# Altium PCB Startracker_mainboard.PcbDoc (part 2 of 2)
Units mm, origin at the board's own origin, x right, y up, seen from the top; angles counter-clockwise.
Board outline 65 x 30 mm, 4 copper layers (Top Layer, MidLayer1, MidLayer2, Bottom Layer), stack 1.569 mm thick; 126 components, 88 nets, 471 pads, 253 vias.
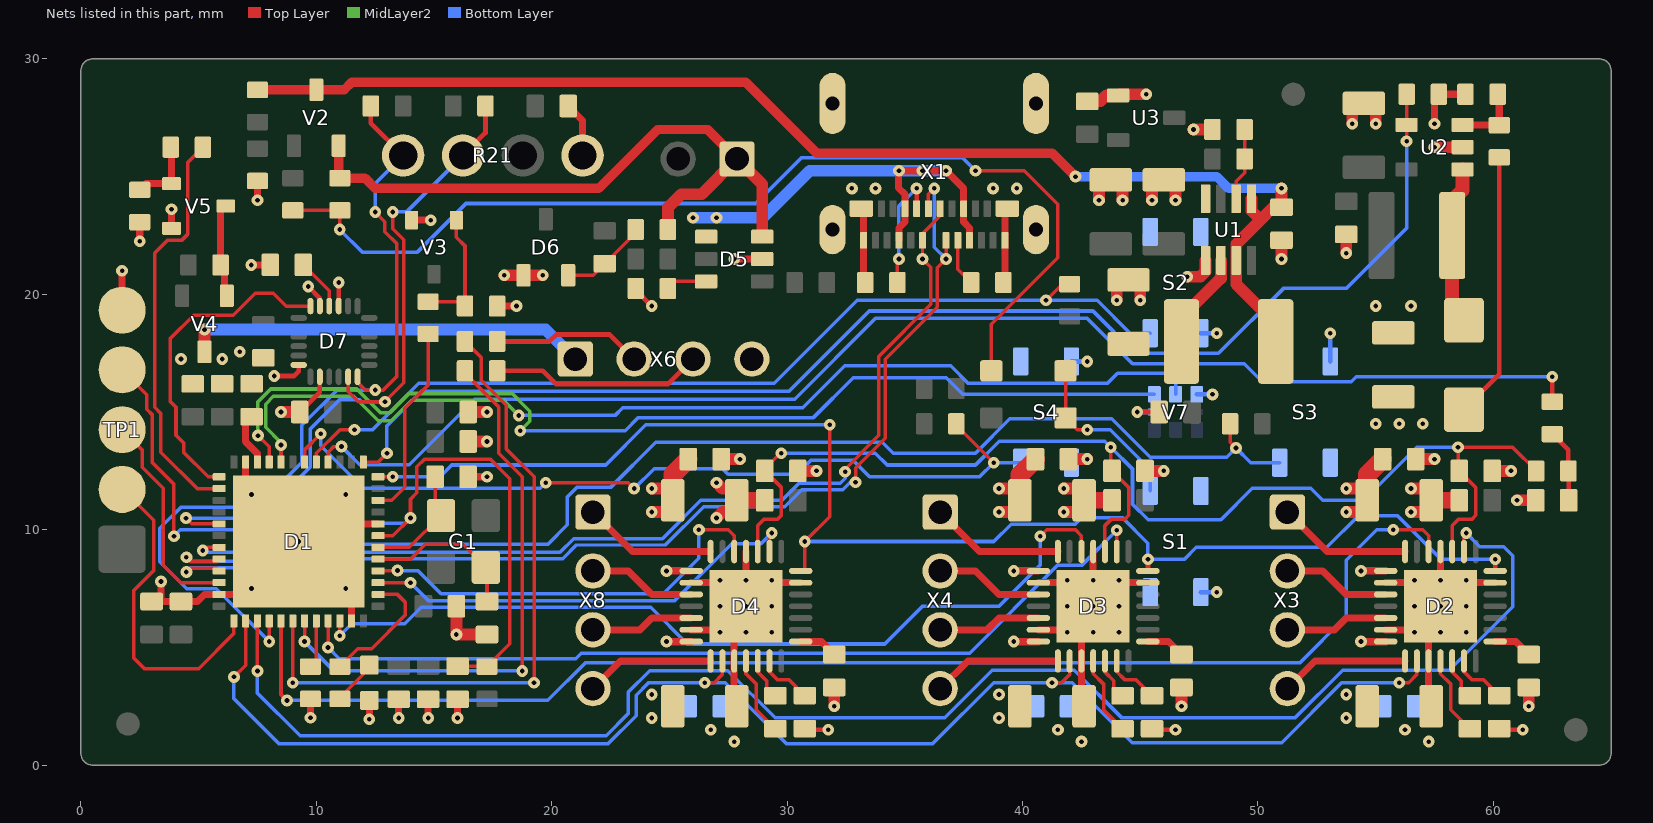
[diagram p4: the nets of this part, all layers, seen from the top]

## Via types
v1: diameter 0.5, hole 0.2, Top Layer to Bottom Layer, tented both sides, 221 vias
v2: diameter 0.5, hole 0.2, Top Layer to Bottom Layer, 32 vias

## Nets (pads, with @x,y where several pads share a name; then routed paths per layer and width w, separated by ;. In a path a pad name is that pad's centre, name@x,y a point inside that pad or via, vN(x,y) a via of type N, cw(c..) or ccw(c..) an arc to the next point about the centre after c; other vN are vias at no path point) (continued)
GND: C1.2 C2.1 C3.1 C4.1 C5.2 C6.2 C7.2 C8.2 C9.1 C11.1 C12.2 C13.1 C14.2 C15.1 C16.1 C17.1 C18.1 C19.1 C26.1 C27.1 C28.1 C29.1 C30.1 C31.1 C32.1 C33.1 C34.1 C35.1 C36.1 C37.1 C38.1 C39.1 C40.1 C41.2 C42.2 C43.1 C44.1 C45.1 C46.2 C47.2 C48.2 C49.2 C50.2 C51.2 C52.2 C53.2 C54.2 C55.2 D1.8 D1.23 D1.35 D1.47 D1.PAD D2.3 D2.13 D2.18 D2.23 D2.27 D2.PAD D3.3 D3.13 D3.18 D3.23 D3.27 D3.PAD D4.3 D4.13 D4.18 D4.23 D4.27 D4.PAD D5.2 D6.1 D7.9 D7.11 D7.18 D7.20 R5.1 R6.1 R7.1 R11.1 R15.1 R17.1 R18.1 R21.1 R23.1 R24.2 R31.1 S1.1 S1.2 S2.1 S2.2 S3.1 S3.2 S4.1 S4.2 TP1.5 U1.4 U1.5 U2.2 U3.1 V1.2 V3.2 V5.2 V7.5 X1.A1 X1.A12 X1.B1 X1.B12 X1.S X6.4 | length 121.6
  Top Layer w0.2: v1(8.211,16.532) 9.056,16.532 9.25,16.726 D7.18@9.25,17 ; C51.2@9.3,15 10.15,15.85 D7.20@10.15,16.5 ; v1(9.653,20.332) 10.15,19.836 D7.11@10.15,19.5 ; D7.9@10.95,19.5 v1(10.95,20.5) ; R11.1@23.565,20.25 23.565,20.185 v1(24.25,19.5) ; v1(44.873,15) C55.2@45.8,15
  Top Layer w0.3: TP1.5@1.75,19.33 v1(1.75,21) ; v1(2.5,22.25) R15.1@2.5,23.065 ; v1(3.4,7.8) 3.4,6.95 C9.1@3,6.95 C41.2@4.25,6.95 4.95,6.95 5.25,7.25 D1.35@5.875,7.25 7,7.25 v2(7.25,7.5) ; V5.2@3.85,22.8 v1(3.85,23.615) ; D1.23@7,12.875 7,11.75 v2(7.25,11.5) ; v1(7.235,21.25) C52.2@8.05,21.25 ; v1(7.5,24) R31.1@7.5,24.815 ; v2(9.25,9.5) 10,10.25 D1.8@12.625,10.25 ; v1(9.75,2.015) R7.1@9.75,2.815 ; v2(11.25,7.5) 11.5,7.25 D1.47@11.5,6.125 ; v1(12.25,1.95) V1.2@12.25,2.75 ; v1(13.5,2) C43.1@13.5,2.8 ; V3.2@14.05,23.15 v1(14.865,23.15) ; v1(14.75,2) C45.1@14.75,2.8 ; v1(16,2) C5.2@16,2.8 ; C47.2@16.45,12.25 v1(17.25,12.25) ; R17.1@17.685,19.5 v1(18.5,19.5) ; C54.2@20.7,28 21.31,27.39 R21.1@21.31,25.9 ; D4.27@25.925,5.75 27.05,5.75 v2(27.15,5.65) ; D4.23@25.925,7.75 27.05,7.75 v2(27.15,7.85) ; v1(27.75,21.5) D5.2@28.94,21.5 ; C31.1@27.86,2.5 27.75,2.61 D4.3@27.75,4.425 27.75,6.25 v2(28.25,6.75) ; v2(28.25,7.85) D4.18@28.25,9.075 ; v2(29.35,7.85) 29.45,7.75 D4.13@30.575,7.75 ; X1.B1@33.15,23.64 33.25,23.54 X1.A12@33.25,22.29 33.25,20.565 R5.1@33.315,20.5 ; R6.1@39.185,20.5 39.25,20.565 X1.A1@39.25,22.29 39.25,23.54 X1.B12@39.35,23.64 ; D3.27@40.675,5.75 41.8,5.75 v2(41.9,5.65) ; D3.23@40.675,7.75 41.8,7.75 v2(41.9,7.85) ; C29.1@42.61,2.5 42.5,2.61 42.5,6.25 v2(43,6.75) ; v2(43,7.85) D3.18@43,9.075 ; v2(44.1,7.85) 44.2,7.75 D3.13@45.325,7.75 ; D2.27@55.425,5.75 56.55,5.75 v2(56.65,5.65) ; D2.23@55.425,7.75 56.55,7.75 v2(56.65,7.85) ; C27.1@57.36,2.5 57.25,2.61 D2.3@57.25,4.425 57.25,6.25 v2(57.75,6.75) ; v1(57.5,27.25) 57.5,28.315 R24.2@57.685,28.5 R23.1@58.815,28.5 ; v2(57.75,7.85) D2.18@57.75,9.075 ; v2(58.85,7.85) 58.95,7.75 D2.13@60.075,7.75
  Top Layer w0.5: v1(8.5,15) C51.2@9.3,15 ; C42.2@15.95,6.75 v1(15.95,5.55) C46.2@17.25,5.55 ; C44.1@16.45,13.75 v1(17.25,13.75) ; C8.2@16.45,15 v1(17.25,15) ; v1(17.985,20.81) D6.1@18.8,20.81 v1(19.615,20.81) ; v1(27,10.5) 27.25,10.75 27.86,10.75 C30.1@27.86,11.25 27.86,11.75 27.25,11.75 v1(27,12) ; C40.1@27.2,13 v1(28,13) ; C50.2@30.45,12.5 v1(31.25,12.5) ; v1(32,2.5) C34.1@32,3.3 ; v1(41.75,10.75) 42.61,10.75 C28.1@42.61,11.25 42.61,11.75 v1(41.75,11.75) ; C38.1@41.95,13 v1(42.75,13) ; C19.1@42.75,28.2 43.31,28.2 43.56,28.45 U3.1@44.06,28.45 44.11,28.5 v1(45.25,28.5) ; v1(43.25,24) 43.25,24.86 C4.1@43.75,24.86 44.25,24.86 v1(44.25,24) ; v1(44,19.75) 44,20.61 C15.1@44.5,20.61 45,20.61 v1(45,19.75) ; C48.2@45.2,12.5 v1(46,12.5) ; v1(45.5,24) 45.5,24.86 C3.1@46,24.86 46.5,24.86 v1(46.5,24) ; v1(46.75,2.5) C33.1@46.75,3.3 ; v1(47,20.75) 47.553,20.75 47.775,20.972 U1.5@47.775,21.44 ; v1(47.265,27) R18.1@48.065,27 ; v1(51,21.5) C2.1@51,22.3 ; v1(53.75,21.75) C18.1@53.75,22.55 ; v1(54,27.25) 54,28.11 C16.1@54.5,28.11 55,28.11 v1(55,27.25) ; v1(56.5,10.75) 57.36,10.75 C26.1@57.36,11.25 57.36,11.75 v1(56.5,11.75) ; C36.1@56.7,13 v1(57.5,13) ; v1(57.5,26.25) U2.2@58.69,26.25 ; C7.2@59.95,12.5 v1(60.75,12.5) ; v1(61,11.25) C1.2@61.8,11.25 ; v1(61.5,2.5) C32.1@61.5,3.3
  Top Layer w0.7: C30.1@27.86,11.25 C49.2@29.05,11.25 ; C28.1@42.61,11.25 C12.2@43.8,11.25 ; C26.1@57.36,11.25 C6.2@58.55,11.25
  Bottom Layer w0.2: S4.2@42.075,17.15 v1(42.75,17.15) ; v1(44.873,15) V7.5@45.675,15 ; V7.5@47.4,15.75 v1(48.065,15.75) ; S1.1@47.575,7.35 v1(48.25,7.35) ; S2.1@47.575,18.35 v1(48.25,18.35) ; S3.2@53.075,17.15 v1(53.075,18.35)
  other v1: 27.75,1 42.5,1 57.25,1 26.75,1.5 41.5,1.5 56.25,1.5 4.25,17.25 6,17.25 6.75,17.56 55,19.5 56.5,19.5 32.75,24.5 33.75,24.5 38.75,24.5 39.75,24.5
  other v2: 28.25,5.65 29.35,5.65 43,5.65 44.1,5.65 57.75,5.65 58.85,5.65 27.15,6.75 29.35,6.75 41.9,6.75 44.1,6.75 56.65,6.75 58.85,6.75 11.25,11.5
I2C_SCL: D1.29 D7.23 R21.3 R36.2 | length 30.5
  Top Layer w0.15: v1(4.462,10.493) 4.706,10.25 D1.29@5.875,10.25 ; D7.23@11.35,16.5 11.35,15.86 11.776,15.434 v1(12.914,15.434) 13.72,16.24 13.72,22.322 13.25,22.791 v1(13.25,23.5)
  Top Layer w0.2: R21.3@16.23,25.9 17.185,26.855 R36.2@17.185,28
  Bottom Layer w0.15: v1(4.462,10.493) 7.575,10.493 9.734,12.653 9.734,14.275 10.984,15.526 11.85,15.526 11.942,15.434 v1(12.914,15.434) ; v1(13.25,23.5) 13.83,23.5 R21.3@16.23,25.9
I2C_SDA: D1.40 D7.24 R21.4 R35.2 | length 36.1
  Top Layer w0.15: v1(8,5.25) D1.40@8,6.125 ; D7.24@11.75,16.5 11.75,16.269 12.084,15.935 v1(12.5,15.935) 12.838,15.935 13.425,16.522 13.425,22.142 12.913,22.654 12.913,23.087 v1(12.5,23.5)
  Top Layer w0.2: R35.2@12.315,28 12.315,27.275 R21.4@13.69,25.9
  Bottom Layer w0.15: v1(8,5.25) 5.75,7.5 4.493,7.5 3.35,8.643 3.35,10.058 4.237,10.945 7.473,10.945 9.382,12.854 9.382,14.432 10.886,15.935 v1(12.5,15.935) ; v1(12.5,23.5) 12.5,24.71 R21.4@13.69,25.9
IMU_INT: D1.25 D7.12 | length 14
  Top Layer w0.15: D1.25@5.875,12.25 5.403,12.25 4.359,13.295 4.359,13.696 4.039,14.016 4.039,15.202 3.786,15.456 3.786,18.11 4.789,19.113 6.469,19.113 7.401,20.045 8.175,20.045 8.72,19.5 D7.12@9.75,19.5
LED_CLK: D1.20 V7.3 | length 44.6
  Top Layer w0.15: D1.20@8.5,12.875 v1(8.5,13.6)
  MidLayer2 w0.15: v1(8.5,13.6) 8.5,13.701 7.845,14.357 7.845,15.337 8.174,15.667 11.59,15.667 12.631,14.626 13.184,14.626 14.054,15.496 17.953,15.496 v1(18.595,14.854)
  Bottom Layer w0.15: v1(18.595,14.854) 22.688,14.854 23.021,15.186 30.664,15.186 32.442,16.964 36.951,16.964 37.701,16.215 43.603,16.215 44.035,16.647 46.139,16.647 46.5,16.286 V7.3@46.5,15.75
LED_DATA: D1.21 V7.6 | length 44.8
  Top Layer w0.15: v1(7.52,13.998) 8,13.518 D1.21@8,12.875
  MidLayer2 w0.15: v1(7.52,13.998) 7.52,15.441 8.057,15.978 11.712,15.978 12.713,14.977 13.129,14.977 13.938,15.787 18.318,15.787 19.068,15.037 19.068,14.611 v1(18.661,14.204)
  Bottom Layer w0.15: v1(18.661,14.204) 23.116,14.204 23.679,14.767 31.118,14.767 32.804,16.452 36.76,16.452 37.462,15.75 V7.6@45.6,15.75
Left_BTN: D1.31 R27.1 S3.3 S3.4 | length 52.2
  Top Layer w0.15: v1(5.18,9.114) 5.315,9.25 D1.31@5.875,9.25 ; R27.1@48.815,14.5 48.815,13.721 v1(49.067,13.469)
  Bottom Layer w0.15: v1(5.18,9.114) 5.25,9.044 9.797,9.044 10.145,9.391 19.846,9.391 20.663,10.209 20.663,11.39 21.087,11.813 22.518,11.813 24.415,13.71 34.04,13.71 34.5,13.25 38,13.25 39.459,14.709 43.788,14.709 45.42,13.077 48.674,13.077 v1(49.067,13.469) 49.686,12.85 S3.3@50.925,12.85
Motor_Booster_Enable: D1.13 R24.1 U2.4 | length 56.3
  Top Layer w0.15: D1.13@12,12.875 12.625,12.875 v1(13,13.25) ; U2.4@56.31,27.2 56.31,26.505 v1(56.315,26.5) ; U2.4@56.315,27.205 R24.1@56.315,28.5
  Bottom Layer w0.15: v1(13,13.25) 13,14.415 14.458,15.873 30.072,15.873 33.49,19.291 42.991,19.291 44.792,17.49 48.322,17.49 51.083,20.25 53.75,20.25 56.315,22.815 v1(56.315,26.5)
NetC1_1: C1.1 R8.1 R20.2 | length 3.1
  Top Layer w0.2: R20.2@62.5,14.074 63.185,13.389 R8.1@63.185,12.5 63.2,12.485 C1.1@63.2,11.25
NetC10_2: C10.2 D6.2 R9.2 | length 3.7
  Top Layer w0.15: D6.2@20.7,20.81 21.76,20.81 C10.2@22.25,21.3 23.565,22.615 R9.2@23.565,22.75
NetC11_2: C11.2 D1.22 | length 2.2
  Top Layer w0.3: C11.2@7.25,14.8 6.989,14.539 6.989,13.739 7.5,13.229 D1.22@7.5,12.875
NetC15_2: C15.2 L1.2 U1.6 | length 4.1
  Top Layer w0.5: L1.2@46.75,18 46.75,19 48.425,20.675 U1.6@48.425,21.44
NetC20_1: C20.1 D2.6 | length 2.4
  Top Layer w0.15: D2.6@58.75,4.425 58.75,3.968 59.081,3.637 59.563,3.637 C20.1@60.25,2.95
NetC21_1: C21.1 D3.6 | length 2.4
  Top Layer w0.15: D3.6@44,4.425 44,3.968 44.331,3.637 44.813,3.637 C21.1@45.5,2.95
NetC22_1: C22.1 D4.6 | length 2.4
  Top Layer w0.15: D4.6@29.25,4.425 29.25,3.968 29.581,3.637 30.063,3.637 C22.1@30.75,2.95
NetC23_1: C23.1 D2.5 | length 2
  Top Layer w0.15: D2.5@58.25,4.425 58.25,3.959 58.625,3.584 58.625,2.95 C23.1@59,2.95
NetC23_2: C23.2 D2.4 | length 3.4
  Top Layer w0.15: D2.4@57.75,4.425 57.75,3.888 58.191,3.447 58.191,2.359 C23.2@59,1.55
NetC24_1: C24.1 D3.5 | length 2
  Top Layer w0.15: D3.5@43.5,4.425 43.5,3.959 43.875,3.584 43.875,2.95 C24.1@44.25,2.95
NetC24_2: C24.2 D3.4 | length 3.4
  Top Layer w0.15: D3.4@43,4.425 43,3.888 43.441,3.447 43.441,2.359 C24.2@44.25,1.55
NetC25_1: C25.1 D4.5 | length 2
  Top Layer w0.15: D4.5@28.75,4.425 28.75,3.959 29.125,3.584 29.125,2.95 C25.1@29.5,2.95
NetC25_2: C25.2 D4.4 | length 3.4
  Top Layer w0.15: D4.4@28.25,4.425 28.25,3.888 28.691,3.447 28.691,2.359 C25.2@29.5,1.55
NetC32_2: C32.2 D2.8 | length 1.7
  Top Layer w0.3: D2.8@60.075,5.25 60.95,5.25 C32.2@61.5,4.7
NetC33_2: C33.2 D3.8 | length 1.7
  Top Layer w0.3: D3.8@45.325,5.25 46.2,5.25 C33.2@46.75,4.7
NetC34_2: C34.2 D4.8 | length 1.7
  Top Layer w0.3: D4.8@30.575,5.25 31.45,5.25 C34.2@32,4.7
NetC46_1: C46.1 D1.5 G1.3 | length 6.7
  Top Layer w0.15: D1.5@12.625,8.75 13.999,8.75 14.625,9.376 16.224,9.376 G1.3@17.2,8.4 17.25,8.35 C46.1@17.25,6.95
NetC47_1: C47.1 D1.6 G1.1 | length 5
  Top Layer w0.15: D1.6@12.625,9.25 13.95,9.25 G1.1@15.3,10.6 15.05,10.85 C47.1@15.05,12.25
NetC52_1: C52.1 D7.10 | length 2.2
  Top Layer w0.15: C52.1@9.45,21.25 10.55,20.15 D7.10@10.55,19.509
NetD1_2: D1.2 R29.2 | length 5.5
  Top Layer w0.15: R29.2@11,4.185 11.759,4.944 12.347,4.944 13.77,6.366 13.77,6.929 13.449,7.25 D1.2@12.625,7.25
NetD1_44: D1.44 R7.2 | length 2
  Top Layer w0.15: R7.2@9.75,4.185 10,4.435 D1.44@10,6.125
NetD5_6: D5.6 R11.2 | length 1.7
  Top Layer w0.15: R11.2@24.935,20.25 25.235,20.55 D5.6@26.56,20.55
NetL2_2: L2.2 U2.1 V6.1 | length 6.8
  Top Layer w0.6: U2.1@58.69,25.3 58.69,24.42 58.25,23.98 L2.2@58.25,22.5 58.25,19.4 V6.1@58.75,18.9
NetR2_1: R2.1 V4.1 V5.3 | length 4
  Top Layer w0.3: V5.3@6.15,23.75 5.935,23.535 R2.1@5.935,21.25 6.099,21.086 6.099,20.041 V4.1@6.2,19.94
NetR3_1: R3.1 R17.2 V3.1 | length 5.4
  Top Layer w0.15: R3.1@14.75,19.685 16.13,19.685 R17.2@16.315,19.5 16.315,22.055 15.95,22.42 V3.1@15.95,23.15
NetR5_2: R5.2 X1.B5 | length 5.2
  Top Layer w0.15: R5.2@34.685,20.5 34.685,21.435 v1(34.75,21.5)
  Top Layer w0.2: X1.B5@35.5,23.64 v1(35.5,24.5)
  Bottom Layer w0.15: v1(34.75,21.5) 34.75,23.75 v1(35.5,24.5)
NetR6_2: R6.2 X1.A5 | length 2
  Top Layer w0.15: X1.A5@37.25,22.29 37.25,21.065 R6.2@37.815,20.5
NetR14_1: R14.1 R15.2 V5.1 | length 3
  Top Layer w0.3: R15.2@2.5,24.435 2.765,24.7 V5.1@3.85,24.7 3.85,26.215 R14.1@3.815,26.25
NetR16_1: R16.1 R18.2 U1.2 | length 3.1
  Top Layer w0.15: U1.2@49.075,24.06 49.075,24.801 49.435,25.161 R16.1@49.435,25.75 R18.2@49.435,27
NetR22_1: R22.1 R23.2 U2.3 | length 2.9
  Top Layer w0.3: U2.3@58.69,27.2 60.235,27.2 R22.1@60.25,27.185 60.25,28.435 R23.2@60.185,28.5
NetR29_1: R29.1 V1.1 | length 2
  Top Layer w0.15: R29.1@11,2.815 11,2.863 12.25,4.113 V1.1@12.25,4.25
NetS1_3: S1.3 S1.4 V13.2 V14.2 | length 7.4
  Top Layer w0.15: V14.2@41.825,16.75 V13.2@41.825,14.75 42.325,14.25 v1(42.75,14.25)
  Bottom Layer w0.15: v1(42.75,14.25) 43.719,14.25 45.425,12.544 S1.4@45.425,11.65
NRST: C5.1 D1.7 R4.1 TP1.4 | length 36.4
  Top Layer w0.15: TP1.4@1.75,16.79 2.804,15.736 2.804,15.112 3.04,14.876 3.04,12.851 3.953,11.938 v1(3.953,9.728) ; D1.7@12.625,9.75 13.25,9.75 v1(14,10.5) 14,11.294 14.27,11.564 14.27,12.669 14.595,12.994 17.399,12.994 18.223,12.17 18.223,5.158 R4.1@17.25,4.185 17.235,4.2 C5.1@16,4.2
  Bottom Layer w0.15: v1(3.953,9.728) 4.227,10.001 8.546,10.001 8.814,10.269 13.769,10.269 v1(14,10.5)
Power_BTN: R1.1 R12.2 V14.1 | length 44.4
  Top Layer w0.15: R12.2@9,23.565 R1.1@11,23.565 v1(11,22.75) ; v1(38,25.25) 40.075,25.25 41.5,23.825 41.5,21.56 38.675,18.735 V14.1@38.675,16.75
  Bottom Layer w0.15: v1(11,22.75) 11.954,21.796 14.296,21.796 16.358,23.858 28.674,23.858 30.625,25.81 37.44,25.81 v1(38,25.25)
Power_Enable: D1.10 R3.2 | length 8.3
  Top Layer w0.15: D1.10@12.625,11.25 13.205,11.25 13.763,11.808 13.763,15.161 14.75,16.148 R3.2@14.75,18.315
Right_BTN: D1.18 R28.1 S4.3 S4.4 | length 36.2
  Top Layer w0.15: D1.18@9.5,12.875 9.5,13.385 v1(10.193,14.078) ; v1(19.75,12) 23.25,12 v1(23.5,11.75) ; R28.1@37.185,14.5 37.185,14.438 v1(38.773,12.85)
  Bottom Layer w0.15: v1(10.193,14.078) 10.193,13.57 11.996,11.767 19.517,11.767 v1(19.75,12) ; v1(23.5,11.75) 24.347,12.597 27.247,12.597 27.49,12.355 30.424,12.355 31.03,12.961 32.789,12.961 33.5,12.25 38.173,12.25 v1(38.773,12.85) S4.3@39.925,12.85
RPI_Enable: D1.26 R14.2 | length 17.4
  Top Layer w0.15: R14.2@5.185,26.25 4.53,25.595 4.53,22.542 4.294,22.306 3.69,22.306 3.137,21.753 3.137,15.2 3.398,14.939 3.398,13.297 4.945,11.75 D1.26@5.875,11.75
SWCLK: D1.37 TP1.2 | length 13.7
  Top Layer w0.15: TP1.2@1.75,11.71 1.79,11.71 3.1,10.4 3.1,8.265 2.236,7.402 2.236,4.564 2.7,4.1 5,4.1 6.5,5.6 D1.37@6.5,6.125
SWDIO: D1.34 TP1.3 | length 9.2
  Top Layer w0.15: TP1.3@1.75,14.25 2.613,13.387 2.613,12.651 3.5,11.764 3.5,8.493 4.243,7.75 D1.34@5.875,7.75
TMC1_A1: D2.24 X3.2 | length 4.6
  Top Layer w0.3: X3.2@51.25,8.25 52.75,8.25 53.75,7.25 D2.24@55.425,7.25
TMC1_A2: D2.21 X3.1 | length 5.7
  Top Layer w0.3: X3.1@51.25,10.75 52.925,9.075 D2.21@56.25,9.075
TMC1_B1: D2.26 X3.3 | length 4.4
  Top Layer w0.3: X3.3@51.25,5.75 53.25,5.75 53.75,6.25 D2.26@55.425,6.25
TMC1_B2: D2.1 X3.4 | length 5.5
  Top Layer w0.3: X3.4@51.25,3.25 52.425,4.425 D2.1@56.25,4.425
TMC1_DIR: D1.41 D2.19 | length 57.2
  Top Layer w0.15: D1.41@8.5,6.125 8.5,3 v1(8.75,2.75) ; v1(55.75,10) 57,10 57.25,9.75 D2.19@57.25,9.075
  Bottom Layer w0.15: v1(8.75,2.75) 19.836,2.75 21.428,4.342 51.772,4.342 53.75,6.32 53.75,8.707 55.043,10 v1(55.75,10)
TMC1_STEP: D1.39 D2.16 | length 68.6
  Top Layer w0.15: v1(7.5,4) D1.39@7.5,6.125 ; D2.16@58.75,9.075 58.75,9.767 v1(58.846,9.863)
  Bottom Layer w0.15: v1(7.5,4) 7.5,3.06 9.31,1.25 22.311,1.25 23.254,2.193 23.254,3.105 24.166,4.017 27.484,4.017 29.492,2.009 36.693,2.009 38.708,4.024 42.203,4.024 44.223,2.004 51.569,2.004 53.6,4.035 58.126,4.035 60.825,6.734 60.825,8.891 60.434,9.282 59.427,9.282 v1(58.846,9.863)
TMC2_A1: D3.24 X4.2 | length 4.6
  Top Layer w0.3: X4.2@36.5,8.25 38,8.25 39,7.25 D3.24@40.675,7.25
TMC2_A2: D3.21 X4.1 | length 5.7
  Top Layer w0.3: X4.1@36.5,10.75 38.175,9.075 D3.21@41.5,9.075
TMC2_B1: D3.26 X4.3 | length 4.4
  Top Layer w0.3: X4.3@36.5,5.75 38.5,5.75 39,6.25 D3.26@40.675,6.25
TMC2_B2: D3.1 X4.4 | length 5.5
  Top Layer w0.3: X4.4@36.5,3.25 37.675,4.425 D3.1@41.5,4.425
TMC2_DIR: D1.46 D3.19 | length 36.8
  Top Layer w0.15: v1(11,5.5) D1.46@11,6.125 ; v1(40.75,9.728) 41.022,10 42.25,10 42.5,9.75 D3.19@42.5,9.075
  Bottom Layer w0.15: v1(11,5.5) 11.5,6 13.75,6 14.454,6.704 24.202,6.704 25.76,5.146 34.146,5.146 35.75,6.75 39,6.75 40.75,8.5 v1(40.75,9.728)
TMC2_STEP: D1.45 D3.16 | length 38
  Top Layer w0.15: v1(10.5,5) D1.45@10.5,6.125 ; D3.16@44,9.075 v1(44,9.976)
  Bottom Layer w0.15: v1(10.5,5) 10.973,4.527 21.027,4.527 21.25,4.75 37.75,4.75 41.5,8.5 42.525,8.5 v1(44,9.976)
TMC3_A1: D4.24 X8.2 | length 4.6
  Top Layer w0.3: X8.2@21.75,8.25 23.25,8.25 24.25,7.25 D4.24@25.925,7.25
TMC3_A2: D4.21 X8.1 | length 5.7
  Top Layer w0.3: X8.1@21.75,10.75 23.425,9.075 D4.21@26.75,9.075
TMC3_B1: D4.26 X8.3 | length 4.4
  Top Layer w0.3: X8.3@21.75,5.75 23.75,5.75 24.25,6.25 D4.26@25.925,6.25
TMC3_B2: D4.1 X8.4 | length 5.5
  Top Layer w0.3: X8.4@21.75,3.25 22.925,4.425 D4.1@26.75,4.425
TMC3_DIR: D1.4 D4.19 | length 18.1
  Top Layer w0.15: D1.4@12.625,8.25 13.433,8.25 v1(13.449,8.265) ; v1(26.25,10) 27.5,10 27.75,9.75 D4.19@27.75,9.075
  Bottom Layer w0.15: v1(13.449,8.265) 14.314,8.265 15.298,7.282 24.737,7.282 26.25,8.795 v1(26.25,10)
TMC3_STEP: D1.3 D4.16 | length 19.1
  Top Layer w0.15: D1.3@12.625,7.75 v1(14,7.75) ; D4.16@29.25,9.075 29.25,9.767 v1(29.346,9.863)
  Bottom Layer w0.15: v1(14,7.75) 14.757,6.993 25.229,6.993 27.64,9.404 28.887,9.404 v1(29.346,9.863)
TMC_E\N\: D1.38 D2.2 D3.2 D4.2 | length 64.1
  Top Layer w0.15: v1(6.5,3.75) 7,4.25 D1.38@7,6.125 ; v1(26.5,3.5) 26.902,3.5 27.25,3.848 D4.2@27.25,4.425 ; v1(41.25,3.5) 41.652,3.5 42,3.848 D3.2@42,4.425 ; v1(56,3.5) 56.402,3.5 56.75,3.848 D2.2@56.75,4.425
  Bottom Layer w0.15: v1(6.5,3.75) 6.5,2.821 8.421,0.9 22.383,0.9 23.585,2.102 23.585,2.974 24.111,3.5 v1(26.5,3.5) 27.375,3.5 29.957,0.918 36.191,0.918 38.773,3.5 v1(41.25,3.5) 42.109,3.5 44.653,0.956 51.005,0.956 53.549,3.5 v1(56,3.5)
TMC_PWM_VREF: D1.16 R20.1 | length 57.7
  Top Layer w0.15: D1.16@10.5,12.875 10.5,13.297 10.737,13.534 v1(11.071,13.534)
  Top Layer w0.2: R20.1@62.5,15.435 v1(62.5,16.5)
  Bottom Layer w0.15: v1(11.071,13.534) 11.849,12.756 13.945,12.756 16.735,15.545 30.32,15.545 33.755,18.981 42.738,18.981 44.671,17.047 49.417,17.047 50.175,16.289 53.959,16.289 54.169,16.5 v1(62.5,16.5)
TMC_UART: D1.12 D2.14 D3.14 D4.14 | length 60.3
  Top Layer w0.15: D1.12@12.625,12.25 v1(13.25,12.25) ; D4.14@30.575,8.25 30.75,8.25 v1(30.75,9.5) 31.805,10.555 v1(31.805,14.457)
  Top Layer w0.2: D3.14@45.325,8.25 v1(45.325,8.75) ; D2.14@60.075,8.25 v1(60.075,8.75)
  Bottom Layer w0.15: v1(13.25,12.25) 15.258,12.25 15.758,12.75 22.293,12.75 24.001,14.457 v1(31.805,14.457) ; v1(30.75,9.5) 38.78,9.5 39.512,10.233 42.233,10.233 42.5,10.5 44.25,10.5 45.325,9.425 v1(45.325,8.75) 46.882,8.75 47.382,9.25 52.925,9.25 54.27,10.595 55.927,10.595 57.772,8.75 v1(60.075,8.75)
TMC_VREF: C7.1 C48.1 C50.1 D2.17 D3.17 D4.17 R8.2 | length 53.6
  Top Layer w0.15: D4.17@28.75,9.075 28.75,10.178 29.008,10.436 29.58,10.436 29.758,10.614 29.758,11.792 C50.1@29.05,12.5 29,12.55 29.7,13.25 v1(29.75,13.25) ; D3.17@43.5,9.075 43.5,10.178 43.758,10.436 44.33,10.436 44.508,10.614 44.508,11.792 C48.1@43.8,12.5 43.75,12.55 v1(43.75,13.5) ; D2.17@58.25,9.075 58.25,10.178 58.508,10.436 59.08,10.436 59.258,10.614 59.258,11.792 C7.1@58.55,12.5 58.5,12.55 v1(58.5,13.5) 60.815,13.5 R8.2@61.815,12.5
  Bottom Layer w0.15: v1(29.75,13.25) 33.75,13.25 34.25,12.75 38,12.75 39.012,13.762 43.488,13.762 v1(43.75,13.5) 44.67,12.58 44.67,11.084 45.335,10.419 48.428,10.419 49.764,11.755 52.245,11.755 52.75,11.25 54.5,11.25 56.75,13.5 v1(58.5,13.5)
UART1_RX: D1.43 R19.1 | length 24.4
  Top Layer w0.15: v1(9.5,5.25) D1.43@9.5,6.125 ; R19.1@16.315,16.75 16.315,16.641 17.744,15.212 17.744,13.256 18.75,12.25 v1(18.75,4)
  Bottom Layer w0.15: v1(9.5,5.25) 10.75,4 v1(18.75,4)
UART1_TX: D1.42 R13.1 | length 28.6
  Top Layer w0.15: v1(9,3.5) D1.42@9,6.125 ; R13.1@16.315,18 17,17.315 17,16.349 18.069,15.281 18.069,13.431 19.25,12.25 v1(19.25,3.5)
  Bottom Layer w0.15: v1(9,3.5) v1(19.25,3.5)
UART_RX: R19.2 X6.3 | length 9
  Top Layer w0.2: R19.2@17.685,16.75 19.614,16.75 20.173,16.191 24.941,16.191 X6.3@26,17.25
UART_TX: R13.2 X6.2 | length 6.4
  Top Layer w0.2: R13.2@17.685,18 19.898,18 20.189,18.291 22.459,18.291 X6.2@23.5,17.25
Up_BTN: D1.17 R26.1 S2.3 S2.4 | length 40.4
  Top Layer w0.15: D1.17@10,12.875 10,13.242 11.008,14.25 v1(11.623,14.25) ; v1(41,19.75) 41.685,20.435 R26.1@42,20.435
  Bottom Layer w0.15: v1(11.623,14.25) 12.388,14.25 14.358,16.22 29.445,16.22 32.976,19.75 v1(41,19.75) 43.166,19.75 44.566,18.35 S2.3@45.425,18.35
USB_D_N: D1.32 X1.A7 X1.B7 | length 44.5
  Top Layer w0.146: v1(4.48,8.829) 4.48,8.813 4.657,8.637 5.762,8.637 D1.32@5.875,8.75 ; v1(32.463,12.463) 32.463,12.577 33.893,14.006 33.893,17.357 36.106,19.57 36.106,21.144 v1(35.75,21.5) X1.A7@35.75,22.29 35.75,22.581 36.5,23.331 X1.B7@36.5,23.64
  Bottom Layer w0.146: v1(4.48,8.829) 4.652,8.657 11.037,8.657 11.427,9.047 20.35,9.047 20.929,9.626 24.705,9.626 26.336,11.257 29.78,11.257 30.504,11.981 32.248,11.981 32.463,12.195 v1(32.463,12.463)
USB_D_P: D1.33 X1.A6 X1.B6 | length 47.7
  Top Layer w0.146: v1(4.48,8.202) 4.48,8.186 4.657,8.363 5.762,8.363 D1.33@5.875,8.25 ; v1(32.906,12.02) 32.781,12.145 32.913,12.277 32.913,12.64 34.166,13.893 34.166,17.244 36.379,19.457 36.379,21.129 v1(36.75,21.5) X1.A6@36.75,22.29 ; X1.B6@36,23.64 36,24.25 v1(36.25,24.5)
  Bottom Layer w0.146: v1(4.48,8.202) 4.662,8.384 11.15,8.384 11.54,8.774 20.463,8.774 21.042,9.353 24.818,9.353 26.449,10.984 29.893,10.984 30.617,11.707 32.361,11.707 32.674,12.02 v1(32.906,12.02) ; v1(36.25,24.5) 36.25,22 v1(36.75,21.5)
VBAT: D5.3 R1.2 R9.1 V2.2 X5.1 | length 28.5
  Top Layer w0.4: V2.2@10.95,26.31 10.95,24.985 R1.2@11,24.935 12.065,24.935 12.5,24.5 22,24.5 24.5,27 26.619,27 X5.1@27.869,25.75
  Top Layer w0.5: R9.1@24.935,22.75 24.935,23.685 25.5,24.25 26.369,24.25 X5.1@27.869,25.75 28.94,24.679 D5.3@28.94,22.45
VMOT: C17.2 C20.2 C21.2 C22.2 C26.2 C27.2 C28.2 C29.2 C30.2 C31.2 C35.2 C36.2 C37.2 C38.2 C39.2 C40.2 D2.22 D2.28 D3.22 D3.28 D4.22 D4.28 R22.2 V6.2 | length 33.6
  Top Layer w0.2: C22.2@30.75,1.55 30.8,1.5 v1(31.75,1.5) ; C21.2@45.5,1.55 45.55,1.5 v1(46.5,1.5) ; V6.2@58.75,15.1 60.25,16.6 R22.2@60.25,25.815 ; C20.2@60.25,1.55 60.3,1.5 v1(61.25,1.5)
  Top Layer w0.32: v1(24.875,5.25) D4.28@25.925,5.25 ; v1(24.875,8.25) D4.22@25.925,8.25 ; v1(39.625,5.25) D3.28@40.675,5.25 ; v1(39.625,8.25) D3.22@40.675,8.25 ; v1(54.375,5.25) D2.28@55.425,5.25 ; v1(54.375,8.25) D2.22@55.425,8.25
  Top Layer w0.5: v1(24.25,10.75) 25.14,10.75 C30.2@25.14,11.25 ; v1(24.25,11.75) C30.2@25.14,11.75 ; v1(39,10.75) 39.89,10.75 C28.2@39.89,11.25 ; v1(39,11.75) C28.2@39.89,11.75 ; v1(53.75,10.75) 54.64,10.75 C26.2@54.64,11.25 ; v1(53.75,11.75) C26.2@54.64,11.75
  Top Layer w0.8: C30.2@25.14,11.25 25.14,11.75 25.14,12.34 C40.2@25.8,13 ; C28.2@39.89,11.25 39.89,11.75 39.89,12.34 C38.2@40.55,13 ; C26.2@54.64,11.25 54.64,11.75 54.64,12.34 C36.2@55.3,13
  other v1: 24.25,2 39,2 53.75,2 24.25,3 39,3 53.75,3 55,14.5 56,14.5 57,14.5
VRPI: V4.3 X6.1 | length 17.2
  Top Layer w0.5: V4.3@5.25,17.56 v1(5.25,18.5)
  Bottom Layer w0.5: v1(5.25,18.5) 19.75,18.5 X6.1@21,17.25
VSYS: C2.2 L1.1 R30.2 U1.1 U1.7 V2.3 | length 54.7
  Top Layer w0.4: R30.2@7.5,28.685 9.995,28.685 V2.3@10,28.69 11.19,28.69 11.5,29 28.25,29 31.25,26 41.25,26 v1(42.25,25)
  Top Layer w0.5: U1.1@49.725,24.06 49.725,23.553 50.108,23.169 ; L1.1@50.75,18 50.75,18.75 49.075,20.425 U1.7@49.075,21.44 49.075,22.136 50.108,23.169 ; v1(51,24.5) C2.2@51,23.7 50.639,23.7 50.108,23.169
  Bottom Layer w0.4: v1(42.25,25) 48.25,25 48.75,24.5 v1(51,24.5)
VUSB: D5.4 X1.A4 X1.A9 X1.B4 X1.B9 | length 20.1
  Top Layer w0.3: X1.A9@34.75,22.29 34.75,22.817 35,23.067 X1.B4@35,23.64 35,24.249 34.73,24.519 34.73,25.23 v1(34.75,25.25) v1(35.75,25.25) v1(36.75,25.25) 37.5,24.5 X1.B9@37.5,23.64 37.5,23.067 37.75,22.817 X1.A4@37.75,22.29
  Bottom Layer w0.5: v1(26,23.25) v1(27,23.25) 28.963,23.25 30.963,25.25 v1(34.75,25.25) v1(35.75,25.25) v1(36.75,25.25)
pads on no net: D1.11 D1.15 D1.28 D2.7 D2.9 D2.10 D2.11 D2.12 D2.20 D2.25 D3.7 D3.9 D3.10 D3.11 D3.12 D3.20 D3.25 D4.7 D4.9 D4.10 D4.11 D4.12 D4.20 D4.25 D7.2 D7.3 D7.4 D7.5 D7.6 D7.7 D7.14 D7.15 D7.16 D7.17 D7.19 D7.21 FD1.1 FD2.1 FD3.1 G1.2 G1.4 U1.8 V7.1 V7.4 X1.A2 X1.A3 X1.A8 X1.A10 X1.A11 X1.B2 X1.B3 X1.B8 X1.B10 X1.B11

## Polygon pours and split planes (outlines as drawn)
GND on Top Layer "GND_L01_P024" (solid, pour order 24): 32.75,23.5 32.75,23.75 32.5,24 32.5,24.5 32.75,24.75 33.75,24.75 34,24.5 34,24.25 33.25,23.5
GND on Top Layer "GND_L01_P023" (solid, pour order 23): 4,16.25 4.25,16 8.25,16 8.5,16.25 8.5,17.5 8.25,17.75 6,17.75 5.25,17 5,17 4.5,17.5 4,17.5
+5V on Top Layer "+5V_L01_P001" (solid, pour order 1): 55.75,23 55.75,24 56.75,25 56.75,25.5 56,25.5 55.75,25.75 53.75,25.75 53.75,24.75 53.25,24.25 53.25,24 53.5,23.75 54,23.75 54.75,23
NetC15_2 on Top Layer "NETC15_2_L01_P022" (solid, pour order 22): 47,16.25 45,16.25 43.75,17.5 43.75,18.25 47,18.25
VMOT on Top Layer "VMOT_L01_P021" (solid, pour order 21): 59.25,14.25 57.75,14.25 57.5,14 54.75,14 54.5,14.25 54.5,15.25 55.25,16 59.25,16
GND on Top Layer "GND_L01_P020" (solid, pour order 20): 47.9,23.7 47.9,24.6 47.2,25.3 43,25.3 42.9,25.2 42.9,23.9 43.1,23.7
VUSB on Top Layer "VUSB_L01_P019" (solid, pour order 19): 26.25,22.25 25.75,22.75 25.75,23.25 26,23.5 27,23.5 27.25,23.25 27.25,22.75 26.75,22.25
GND on Top Layer "GND_L01_P017" (solid, pour order 17): 39.75,23.5 39.75,23.75 40,24 40,24.5 39.75,24.75 38.75,24.75 38.5,24.5 38.5,24.25 39.25,23.5
VMOT on Top Layer "VMOT_L01_P016" (solid, pour order 16): 53.25,3 53.25,2 53.75,1.5 54.75,1.5 55,1.75 55,3.25 54.75,3.5 53.75,3.5
VMOT on Top Layer "VMOT_L01_P015" (solid, pour order 15): 38.5,3 38.5,2 39,1.5 40,1.5 40.25,1.75 40.25,3.25 40,3.5 39,3.5
VMOT on Top Layer "VMOT_L01_P014" (solid, pour order 14): 23.75,3 23.75,2 24.25,1.5 25.25,1.5 25.5,1.75 25.5,3.25 25.25,3.5 24.25,3.5
GND on Top Layer "GND_L01_P007" (solid, pour order 7): 28.25,0.75 28,0.5 27,0.5 26.25,1.25 26.25,2 27.5,3.25 28.25,3.25
GND on Top Layer "GND_L01_P006" (solid, pour order 6): 43,0.75 42.75,0.5 41.75,0.5 41,1.25 41,2 42.25,3.25 43,3.25
GND on Top Layer "GND_L01_P005" (solid, pour order 5): 57.75,0.75 57.5,0.5 56.5,0.5 55.75,1.25 55.75,2 57,3.25 57.75,3.25
GND on Top Layer "GND_L01_P002" (solid, pour order 2): 56.5,18.25 57,18.75 57,19.75 56.75,20 54.75,20 54.5,19.75 54.5,18.75 55,18.25
+3.3V on MidLayer2 "+3.3V_L03_P004" (solid, pour order 4): 0,0 0,30 65,30 65,0
VMOT on MidLayer2 "VMOT_L03_P000" (solid, pour order 0): 65,0 65,9 62.5,9 62,9.5 62,15 54.25,15 54.25,13.75 50,9.5 42.5,9.5 39.75,12.25 38.25,12.25 35.5,9.5 27.75,9.5 25,12.25 23.5,12.25 21.5,10.25 21.5,0
VMOT on Bottom Layer "VMOT_L04_P008" (solid, pour order 8): 26,2.75 25.25,3.5 24.25,3.5 23.75,3 23.75,2 24.25,1.5 25.25,1.5 26,2.25
GND on Bottom Layer "GND_L04_P011" (solid, pour order 11): 41.75,2.25 41.25,1.75 41.25,1.25 41.75,0.75 42.5,0.75 42.75,1 42.75,1.75 42.25,2.25
VMOT on Bottom Layer "VMOT_L04_P012" (solid, pour order 12): 55.5,2.75 54.75,3.5 53.75,3.5 53.25,3 53.25,2 53.75,1.5 54.75,1.5 55.5,2.25
GND on Bottom Layer "GND_L04_P013" (solid, pour order 13): 56.5,2.25 56,1.75 56,1.25 56.5,0.75 57.25,0.75 57.5,1 57.5,1.75 57,2.25
VMOT on Bottom Layer "VMOT_L04_P010" (solid, pour order 10): 40.75,2.75 40,3.5 39,3.5 38.5,3 38.5,2 39,1.5 40,1.5 40.75,2.25
GND on Bottom Layer "GND_L04_P009" (solid, pour order 9): 27,2.25 26.5,1.75 26.5,1.25 27,0.75 27.75,0.75 28,1 28,1.75 27.5,2.25
GND on MidLayer1 "GND_L02_P003" (solid, pour order 3): 0,0 0,30 65,30 65,0

## Keep-outs
MidLayer1:
  rectangle: 9.75,17 11.75,19

## Silkscreen, mask and mechanical layers (free items; w line width, h text height)
Top Overlay:
  drawing of 13 lines, arcs and shapes, not listed
  text "Hier Strom" at 33.588,27.764 h1.2
  text "_" at 3,19.356 h1.2
  text "R" at 3,16.367 h1.2
  text "UART" at 33,14.25 h2 r90
  text "D" at 3,13.867 h1.2
  text "C" at 3,11.367 h1.2
  text "+" at 3,8.872 h1.2
  text "M3" at 25.306,5.61 h2 r90
  text "M2" at 40.312,5.365 h2 r90
  text "M1" at 54.802,4.6 h2 r90
Bottom Overlay:
  drawing of 35 lines, arcs and shapes, not listed
  text "Bitte auf der anderen Seite programmieren" at 2.75,19.95 h1.2 r90
Board:
  the board outline again, w0.1
Drill Drawing:
  drawing of 294 lines, arcs and shapes, not listed
  text "Layer" at -101.746,-47.104 h1.48
  text "Name" at -95.541,-47.104 h1.48
  text "Material" at -83.547,-47.104 h1.48
  text "Thickness" at -72.766,-47.104 h1.48
  text "Constant" at -63.911,-47.104 h1.48
  text "Gerber" at -55.712,-47.104 h1.48
  text "Board Layer Stack" at -48.671,-47.104 h1.48
  text "Top Overlay" at -95.541,-50.072 h1.48
  text "GTO" at -55.712,-50.072 h1.48
  text "Top Solder" at -95.541,-53.04 h1.48
  text "Solder Resist" at -83.547,-53.04 h1.48
  text "0.010mm" at -72.766,-53.04 h1.48
  text "3.5" at -63.911,-53.04 h1.48
  text "GTS" at -55.712,-53.04 h1.48
  text "1" at -101.746,-56.008 h1.48
  text "Top Layer" at -95.541,-56.008 h1.48
  text "0.035mm" at -72.766,-56.008 h1.48
  text "GTL" at -55.712,-56.008 h1.48
  text "Dielectric1" at -95.541,-58.976 h1.48
  text "FR-4 (7628)" at -83.547,-58.976 h1.48
  text "0.099mm" at -72.766,-58.976 h1.48
  text "4.2" at -63.911,-58.976 h1.48
  text "Symbol" at 21.158,-60.113 h1.83
  text "Count" at 28.782,-60.113 h1.83
  text "Hole Size" at 36.44,-60.113 h1.83
  text "Hole Length" at 50.678,-60.113 h1.83
  text "Plated" at 64.938,-60.113 h1.83
  text "Hole Type" at 71.512,-60.113 h1.83
  text "Drill Layer Pair" at 81.03,-60.113 h1.83
  text "Via/Pad" at 99.383,-60.113 h1.83
  text "Pad Shape" at 107.075,-60.113 h1.83
  text "2" at -101.748,-61.944 h1.48
  text "MidLayer1" at -95.541,-61.944 h1.48
  text "0.018mm" at -72.766,-61.944 h1.48
  text "G1" at -55.712,-61.944 h1.48
  text "253" at 28.782,-63.263 h1.52
  text "0.200mm (7.87mil)" at 36.44,-63.263 h1.52
  text "-" at 50.678,-63.263 h1.52
  text "PTH" at 64.938,-63.263 h1.52
  text "Round" at 71.512,-63.263 h1.52
  text "Top Layer - Bottom Layer" at 81.03,-63.263 h1.52
  text "Via" at 99.383,-63.263 h1.52
  text "Rounded" at 107.075,-63.263 h1.52
  text "Core" at -95.541,-64.912 h1.48
  text "1.265mm" at -72.766,-64.912 h1.48
  text "4.2" at -63.911,-64.912 h1.48
  text "2" at 28.782,-66.413 h1.52
  text "0.600mm (23.62mil)" at 36.44,-66.413 h1.52
  text "1.600mm (62.99mil)" at 50.678,-66.413 h1.52
  text "PTH" at 64.938,-66.413 h1.52
  text "Slot" at 71.512,-66.413 h1.52
  text "Top Layer - Bottom Layer" at 81.03,-66.413 h1.52
  text "Pad" at 99.383,-66.413 h1.52
  text "Rounded" at 107.075,-66.413 h1.52
  text "3" at -101.746,-67.88 h1.48
  text "MidLayer2" at -95.541,-67.88 h1.48
  text "0.018mm" at -72.766,-67.88 h1.48
  text "G2" at -55.712,-67.88 h1.48
  text "2" at 28.782,-69.563 h1.52
  text "0.600mm (23.62mil)" at 36.44,-69.563 h1.52
  text "2.100mm (82.68mil)" at 50.678,-69.563 h1.52
  text "PTH" at 64.938,-69.563 h1.52
  text "Slot" at 71.512,-69.563 h1.52
  text "Top Layer - Bottom Layer" at 81.03,-69.563 h1.52
  text "Pad" at 99.383,-69.563 h1.52
  text "Rounded" at 107.075,-69.563 h1.52
  text "Dielectric 4" at -95.541,-70.848 h1.48
  text "FR-4 (7628)" at -83.547,-70.848 h1.48
  text "0.099mm" at -72.766,-70.848 h1.48
  text "4.2" at -63.911,-70.848 h1.48
  text "18" at 28.782,-72.714 h1.52
  text "1.000mm (39.37mil)" at 36.44,-72.714 h1.52
  text "-" at 50.678,-72.714 h1.52
  text "PTH" at 64.938,-72.714 h1.52
  text "Round" at 71.512,-72.714 h1.52
  text "Top Layer - Bottom Layer" at 81.03,-72.714 h1.52
  text "Pad" at 99.383,-72.714 h1.52
  text "(Mixed)" at 107.075,-72.714 h1.52
  text "4" at -101.746,-73.816 h1.48
  text "Bottom Layer" at -95.541,-73.816 h1.48
  text "0.035mm" at -72.766,-73.816 h1.48
  text "GBL" at -55.712,-73.816 h1.48
  text "4" at 28.782,-75.864 h1.52
  text "1.200mm (47.24mil)" at 36.44,-75.864 h1.52
  text "-" at 50.678,-75.864 h1.52
  text "PTH" at 64.938,-75.864 h1.52
  text "Round" at 71.512,-75.864 h1.52
  text "Top Layer - Bottom Layer" at 81.03,-75.864 h1.52
  text "Pad" at 99.383,-75.864 h1.52
  text "Rounded" at 107.075,-75.864 h1.52
  text "Bottom Solder" at -95.541,-76.784 h1.48
  text "Solder Resist" at -83.547,-76.784 h1.48
  text "0.010mm" at -72.766,-76.784 h1.48
  text "3.5" at -63.911,-76.784 h1.48
  text "GBS" at -55.712,-76.784 h1.48
  text "279 Total" at 28.782,-79.014 h1.52
  text "Bottom Overlay" at -95.541,-79.753 h1.48
  text "GBO" at -55.712,-79.753 h1.48
  text "Slot definitions :" at 21.158,-81.219 h1.52
  text "Routed Path Length" at 32.573,-81.219 h1.52
  text "= Calculated from tool start centre position to tool end centre position." at 46.248,-81.219 h1.52
  text "Hole Length" at 32.573,-82.48 h1.52
  text "= Routed Path Length + Tool Size = Slot length as defined in the PCB layout" at 41.185,-82.48 h1.52
  text "Total board thickness:" at -101.746,-82.721 h1.48
  text "1.589mm" at -72.766,-82.721 h1.48